# Altium PCB LimeSDR-PCIe_1v2.PcbDoc (part 6 of 9)
Units mm, origin at the board's own origin, x right, y up, seen from the top; angles counter-clockwise.
Board outline 136.85 x 68.9 mm, 12 copper layers (Top, L2, L3, L4, L5, L6, L7, L8, L9, L10, L11, Bottom), stack 1.638 mm thick; 821 components, 532 nets, 3803 pads, 1799 vias.
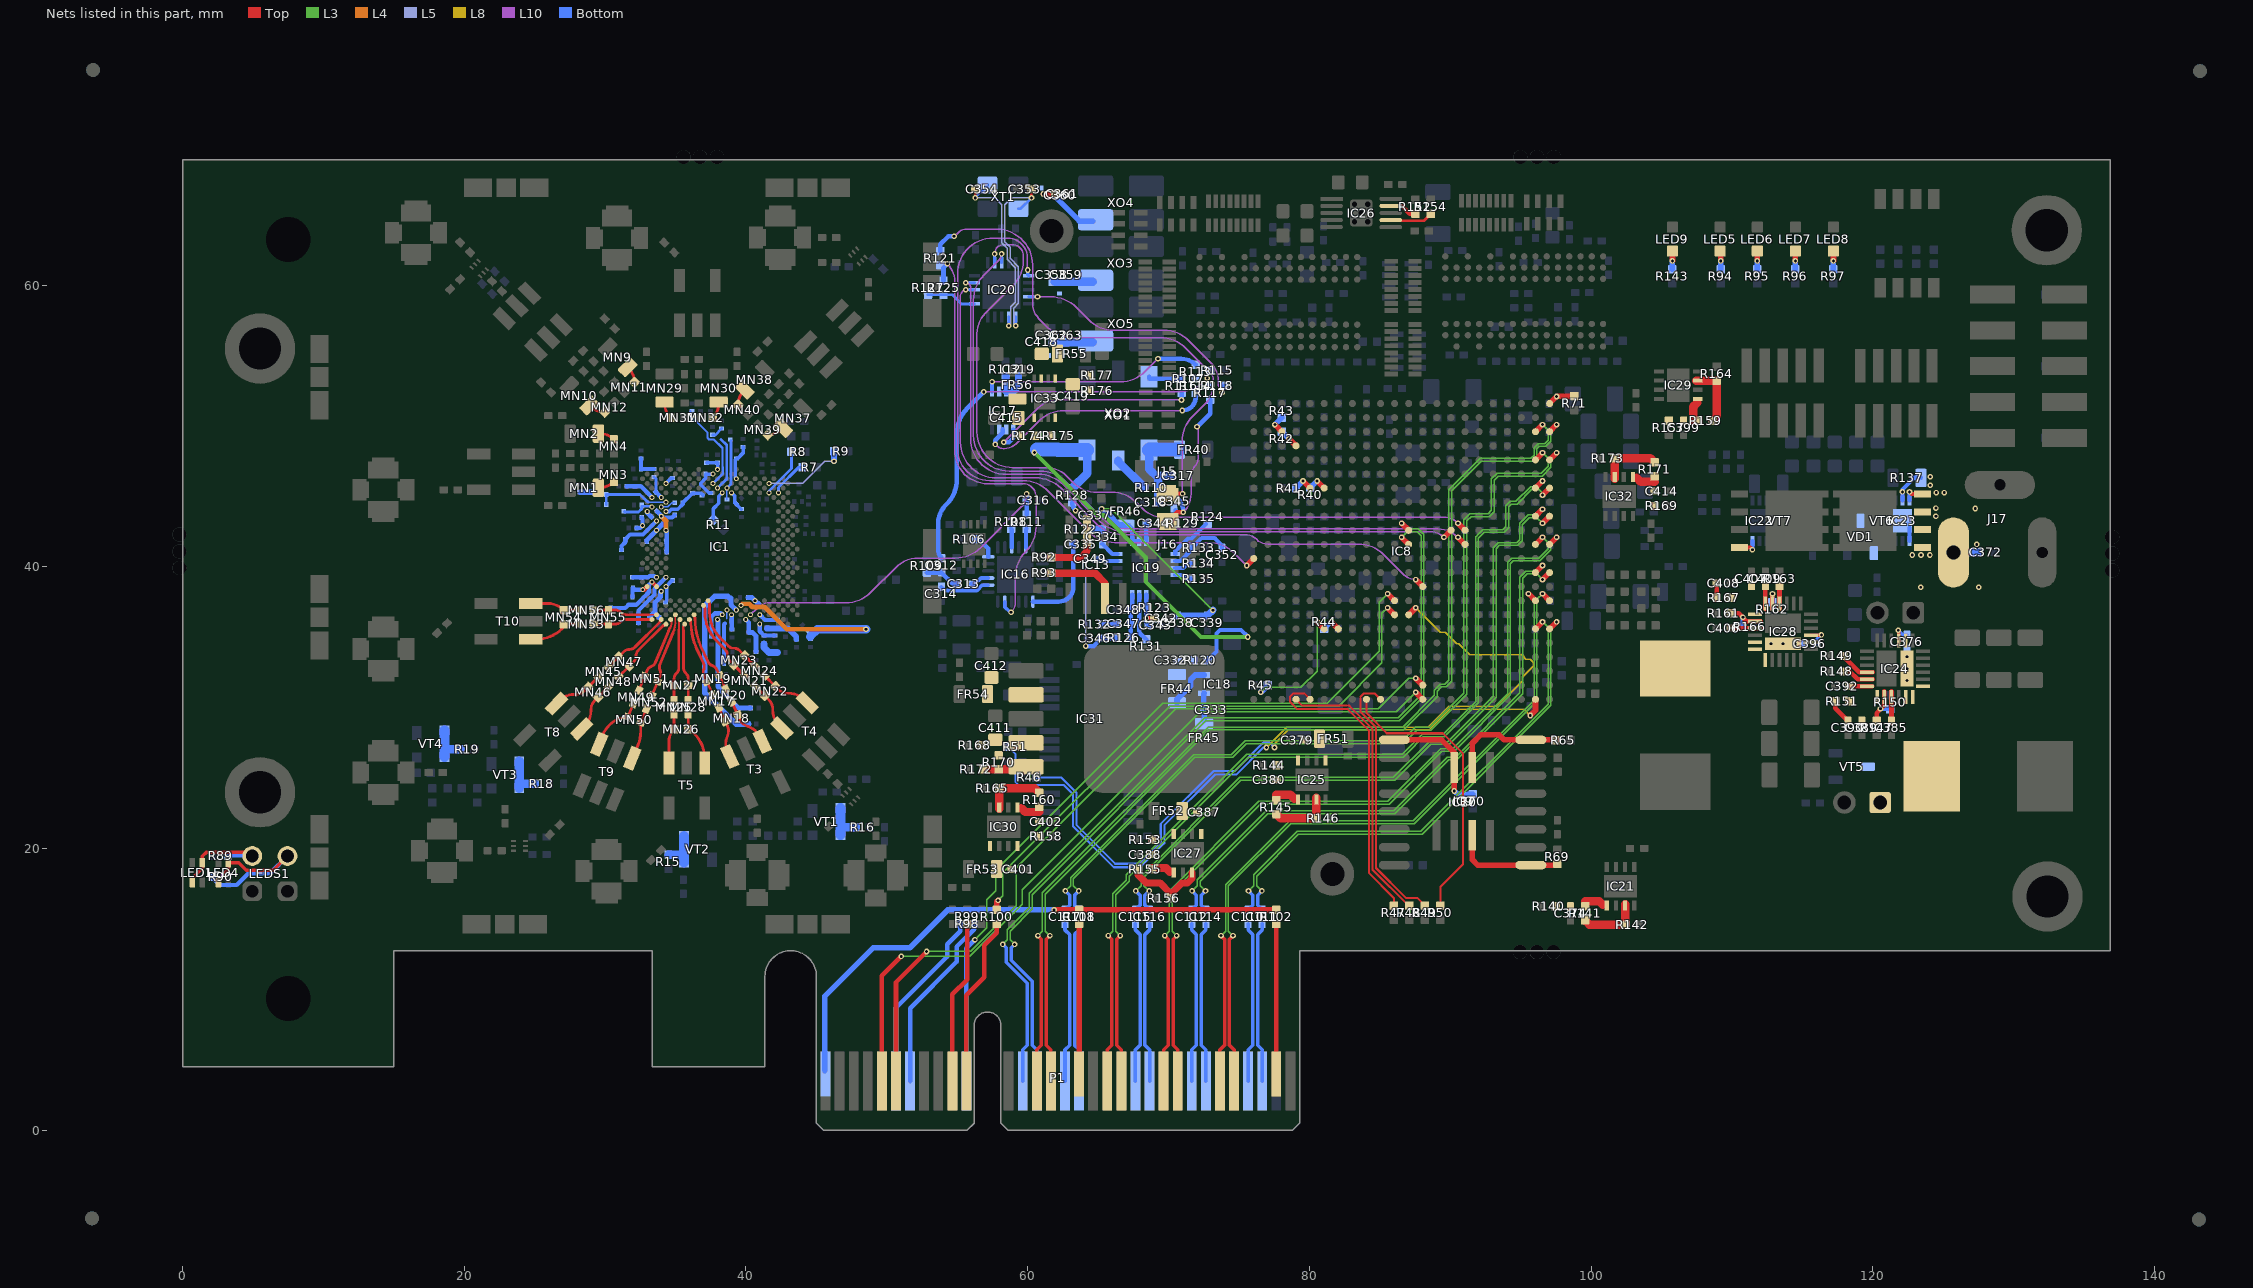
[diagram p16: the nets of this part, all layers, seen from the top]

## Via types
v1: diameter 0.4, hole 0.2, Top to Bottom, tented both sides, 1691 vias
v2: diameter 0.35, hole 0.2, Top to Bottom, tented top, 87 vias
v3: diameter 0.5, hole 0.2, Top to Bottom, tented both sides, 20 vias
v4: diameter 0.4, hole 0.2, Top to Bottom, tented top, 1 vias

## Nets (pads, with @x,y where several pads share a name; then routed paths per layer and width w, separated by ;. In a path a pad name is that pad's centre, name@x,y a point inside that pad or via, vN(x,y) a via of type N, cw(c..) or ccw(c..) an arc to the next point about the centre after c; other vN are vias at no path point) (continued)
NetC65_1: C65.1 FR6.1 IC1.D16 | length 7
  Bottom w0.15: C65.1@36.063,51.05 36.063,50.748 FR6.1@36.325,50.486 36.325,50.474 37.275,49.523 37.275,49.153 37.377,49.05 37.725,49.05 38.332,48.443 38.332,46.607
  Bottom w0.17: v2(37.65,45.925) 38.332,46.607 38.342,46.617 38.342,47.076 38.336,47.082
NetC66_1: C66.1 FR3.1 IC1.E17 | length 4.7
  Bottom w0.2: FR3.1@37.625,49.375 37.83,49.375 C66.1@38.275,49.82 ; v2(37.982,45.595) 38.632,46.245 38.632,48.643 38.225,49.05
NetC67_1: C67.1 FR5.2 IC1.AL21 | length 13.4
  Bottom w0.35: 38.924,37.781 38.924,37.327 v2(39.314,36.937)
  Bottom w0.4: 38.894,37.731 38.719,37.906 37.773,37.906 37.074,37.207 37.074,31.051 39.037,29.088 39.067,29.088 39.304,28.85 FR5.2@40.175,28.85
NetC68_1: C68.1 FR12.1 IC1.G3 | length 2.1
  Bottom w0.3: FR12.1@31.524,45.726 32.538,45.726 33.32,44.944 v2(33.32,44.929)
NetC69_1: C69.1 FR9.2 IC1.M4 | length 3.6
  Bottom w0.3: FR9.2@31.169,41.206 31.169,41.494 31.429,41.754 C69.1@31.429,41.956 31.779,42.306 32.696,42.306 v2(33.653,43.264)
NetC70_1: C70.1 FR10.2 IC1.H6 | length 5.2
  Bottom w0.11: 33.029,44.596 v2(34.319,44.596)
  Bottom w0.2: C70.1@30.079,44.431 30.079,45.146 FR10.2@30.075,45.15 32.475,45.15 33.029,44.596
NetC71_1: C71.1 FR8.1 IC1.B16 | length 2.4
  Bottom w0.25: C71.1@37.531,45.256 37.369,45.256 36.794,45.831 36.794,45.951 37.129,46.286 FR8.1@37.129,46.581 37.637,46.581 v2(37.649,46.594)
NetC72_1: C72.1 FR10.1 R31.1 | length 1.4
  Bottom w0.4: C72.1@28.231,45.296 28.238,45.303 29.046,45.303 29.362,45.303 FR10.1@29.515,45.15
NetC73_1: C73.1 FR11.1 IC1.A17 | length 1.3
  Bottom w0.25: FR11.1@37.199,47.401 C73.1@37.974,47.401 37.982,47.393 v2(37.982,46.927)
NetC74_1: C74.1 FR13.1 IC1.E19 | length 4.4
  Bottom w0.11: C74.1@38.648,44.781 v2(38.648,45.595)
  Bottom w0.15: v2@38.594,45.649 v2(38.648,45.595)
  Bottom w0.2: v2(38.648,45.595) 38.932,45.879 FR13.1@38.932,48.968
NetC75_1: C75.1 IC1.J3 R34.1 | length 2.2
  Bottom w0.19: R34.1@32.604,44.281 32.622,44.3 33.283,44.3 v2(33.32,44.263)
  Bottom w0.2: C75.1@31.375,43.925 31.394,43.906 32.381,43.906 32.604,44.129 R34.1@32.604,44.281
NetC76_1: C76.1 FR17.1 IC1.C21 | length 2.5
  Bottom w0.24: v2(39.314,46.261) 39.252,46.323 39.252,47.604 FR17.1@39.349,47.701
  Bottom w0.25: FR17.1@39.349,47.701 39.407,47.701 39.794,48.088 C76.1@39.794,48.519
NetC77_1: C77.1 IC1.F20 R33.2 | length 1.4
  Bottom w0.25: v2(38.981,45.262) 39.219,45.024 39.219,44.561 R33.2@39.674,44.106
NetC78_2: C78.2 FR14.2 IC1.K6 R32.2 | length 3.3
  Bottom w0.27: v2(34.319,43.93) 34.53,43.93 34.691,44.091 35.161,44.091 35.529,44.459 35.529,44.556 35.529,44.563 FR14.2@36.199,45.233 36.827,45.233 C78.2@36.949,45.111
NetC79_1: C79.1 FR16.2 FR18.2 IC1.L5 R35.2 | length 4.2
  L4 w0.35: v2(33.986,43.597) 34.319,43.264 v2(34.319,42.598)
  Bottom w0.3: R35.2@33.701,43.929 33.986,43.644 v2(33.986,43.597) 34.078,43.505 34.767,43.505 C79.1@34.944,43.681
  Bottom w0.35: v2(34.319,42.598) 34.375,42.542 FR16.2@34.375,41.05
NetC80_1: C80.1 FR15.1 IC1.AN23 | length 2.7
  Bottom w0.3: v2(39.98,36.271) 40.199,36.052 C80.1@40.199,35.336
  Bottom w0.35: C80.1@40.224,35.336 40.473,35.336 40.724,35.085 FR15.1@40.724,33.981
NetC81_1: C81.1 FR20.2 IC1.G5 | length 1.7
  Bottom w0.2: FR20.2@33.476,46.389 33.606,46.259 33.606,45.343 C81.1@33.572,45.343
  Bottom w0.3: C81.1@33.572,45.343 v2(33.986,44.929)
NetC82_1: C82.1 FR21.2 IC1.N1 | length 1.1
  Bottom w0.3: FR21.2@32.231,42.769 32.492,42.769 v2(32.654,42.931) 32.654,43.456 C82.1@32.604,43.506
NetC83_1: C83.1 FR19.1 IC1.AM18 | length 2.3
  Bottom w0.31: FR19.1@37.549,35.061 37.549,36.456 37.799,36.706 38.212,36.706 v2(38.315,36.604)
NetC84_1: C84.1 IC1.AL19 R36.2 | length 3.5
  Bottom w0.11: v2(38.648,36.937) 38.649,36.331
  Bottom w0.3: C84.1@38.444,33.156 38.444,35.926 38.504,35.986
NetC85_1: C85.1 FR20.1 R37.1 | length 1.6
  Bottom w0.3: R37.1@32.55,46.946 32.553,46.949 FR20.1@33.476,46.949 ; R37.1@32.554,47.016 C85.1@32.554,47.706
NetC86_1: C86.1 FR22.1 IC1.AM20 | length 1
  Bottom w0.3: FR22.1@38.994,35.556 v2@38.994,36.591
  other v2: 38.981,36.604
NetC87_1: C87.1 FR27.2 IC1.AD6 | length 3.8
  Bottom w0.3: 32.379,36.912 33.124,37.657 33.124,37.665 33.499,38.04 33.499,38.448 v2(34.319,39.268)
  Bottom w0.35: FR27.2@32.379,36.025 C87.1@32.379,36.706
NetC88_1: C88.1 FR23.2 IC1.AE3 IC1.AF4 | length 4.5
  Top w0.3: v2(33.32,38.935) IC1.AF4@33.653,38.602
  Bottom w0.3: FR23.2@30.27,37.086 31.149,37.086 31.429,37.086 31.649,37.306 32.208,37.306 32.724,37.823 ; 32.75,37.856 33.099,38.205 33.099,38.714 v2(33.32,38.935)
NetC89_1: C89.1 FR24.1 FR25.1 IC1.AN17 | length 7.9
  Bottom w0.34: v2(37.982,36.271) 38.024,36.229 FR24.1@38.024,31.506 ; FR24.1@38.032,31.593 38.032,31.423 39.48,29.975 FR25.1@40.345,29.975
NetC90_1: C90.1 FR26.1 IC1.AJ25 | length 1
  Bottom w0.35: C90.1@40.142,37.831 40.417,37.831 v2(40.646,37.603) 40.653,37.603 FR26.1@40.926,37.329
NetC91_1: C91.1 FR28.2 IC1.AG5 | length 2.7
  Bottom w0.35: FR28.2@33.134,36.421 33.549,36.836 ; C91.1@33.839,36.421 33.549,36.711 33.549,36.836 ; v2@33.974,38.281 33.924,38.231 33.924,37.856 33.874,37.806 33.866,37.806 33.549,37.489 33.549,37.481 33.549,36.836
  other v2: 33.986,38.269
NetC92_1: C92.1 FR30.2 IC1.P4 | length 1.7
  Bottom w0.35: FR30.2@32.956,41.794 32.956,41.901 v2(33.653,42.598) 34.104,43.049 C92.1@34.119,43.049
NetC93_1: C93.1 FR29.1 IC1.AP26 | length 1.7
  Bottom w0.3: v2(40.979,35.938) 40.979,35.431 FR29.1@41.274,35.136 C93.1@42.049,35.136
NetC94_1: C94.1 FR29.2 R38.2 | length 1.4
  Bottom w0.5: FR29.2@41.274,34.531 41.274,34.281 R38.2@41.624,33.931 C94.1@42.249,33.931
NetC95_1: C95.1 FR31.1 IC1.AM26 | length 1.4
  Bottom w0.3: v2(40.979,36.604) 41.346,36.236 FR31.1@41.499,36.236 C95.1@42.274,36.236
NetC96_1: C96.1 FR31.2 R39.2 | length 2.5
  Bottom w0.4: FR31.2@41.474,35.626 43.004,35.626 43.574,35.056 R39.2@43.574,34.861
NetC97_1: C97.1 FR32.1 IC1.AK22 | length 13.9
  L4 w0.35: v2(39.647,37.27) 39.764,37.387 40.226,37.387 40.46,37.153 41.322,37.153 42.9,35.575 v1(48.525,35.575)
  Bottom w0.6: 44.55,35.05 45.075,35.575 v1(48.525,35.575)
NetC98_1: C98.1 FR33.1 IC1.AF6 | length 1.9
  Bottom w0.25: FR33.1@34.274,37.481 34.386,37.593 34.386,38.535 v2(34.319,38.602) 34.749,39.031 C98.1@34.794,39.031 ; FR33.1@34.319,37.516 FR33.1@34.324,37.511
NetC99_1: C99.1 FR34.1 IC1.AD4 | length 1.8
  Bottom w0.3: FR34.1@31.974,39.276 31.983,39.268 33.052,39.268 33.144,39.36 33.496,39.36 33.588,39.268 v2(33.653,39.268)
NetC100_1: C100.1 FR35.1 IC1.AF2 | length 1.8
  Top w0.35: v2(32.674,38.381) 32.767,38.381 IC1.AF2@32.987,38.602
  Bottom w0.3: C100.1@31.954,37.856 31.954,38.506 32.02,38.506 32.145,38.381 v2(32.674,38.381)
NetC312_1: C312.1 C313.2 R109.2 | length 2.4
  Bottom w0.325: R109.2@52.85,39.6 53.875,39.6 54.675,38.8 C313.2@54.95,38.8
NetC312_2: C312.2 R107.1 R113.1 R114.1 R115.2 R117.1 R118.1 | length 29.1
  L10 w0.1: v1(56.875,52.425) 70.723,52.425 ccw(c70.723,54.965) 72.519,53.169 v1(72.75,53.4)
  Bottom w0.325: C312.2@53.9,40.625 cw(c54.504,41.229) 53.65,41.229 53.65,43.125 cw(c55.4,43.125) 54.163,44.363 54.231,44.431 ccw(c52.435,46.227) 54.975,46.227 54.975,49.473 cw(c57.515,49.473) 55.719,51.269 v1(56.875,52.425)
NetC313_1: C313.1 IC16.21 | length 1.4
  Bottom w0.25: C313.1@55.95,38.8 56.275,38.8 56.687,39.212 IC16.21@57.2,39.212
NetC314_2: C314.2 IC16.20 | length 3.6
  Bottom w0.25: C314.2@53.875,38.6 54.15,38.325 56.4,38.325 56.787,38.712 IC16.20@57.2,38.712
NetC317_2: C317.2 C318.2 FR40.1 R110.2 XO1.5 XO2.4 | length 6.8
  Bottom w0.6: XO2.4@68.625,48.3 68.625,46.95 69.275,46.3 R110.2@69.275,45.625 C318.2@69.275,44.575 ; 69.45,46.475 C317.2@70.175,46.475
  Bottom w1: XO2.4@68.625,48.3 68.65,48.325 FR40.1@70.725,48.325
NetC319_2: C319.2 IC17.6 IC17.7 IC17.8 R112.2 | length 2.9
  Bottom w0.5: R112.2@58.475,53.55 IC17.7@58.475,52.45 IC17.8@58.975,52.45 59.35,52.825 C319.2@59.35,53.55
NetC332_2: C332.2 FR44.2 R120.2
NetC333_1: C333.1 FR45.2 IC18.4 | length 1.9
  Bottom w0.4: FR45.2@72.525,29.101 72.525,29.871 72.511,29.885 72.511,31.011 IC18.4@72.525,31.025
NetC334_1: C334.1 IC19.5 | length 1.4
  Bottom w0.3: C334.1@65.3,41.625 66,40.925 IC19.5@66.375,40.925
NetC334_2: C334.2 C335.1 R122.2 | length 2.1
  Bottom w0.5: C335.1@64.25,41.625 64.25,42.625 R122.2@64.25,42.675 65.25,42.675 C334.2@65.3,42.625
NetC337_2: C337.2 C338.1 C339.1 FR46.2 IC19.6 IC19.7 | length 17.9
  L3 w0.1: v1(65.25,44.125) 65.95,44.125 v1(73.15,36.925)
  Bottom w0.3: FR46.2@66.95,42.95 67.175,42.95 67.425,42.7 IC19.6@67.425,41.825 IC19.7@67.925,41.825
  Bottom w0.4: C338.1@70.625,36.55 C339.1@72.625,36.55
  Bottom w0.5: v1@65.25,44.075 C337.2@65.25,43.675 65.725,43.675 66.45,42.95 FR46.2@66.95,42.95 ; C339.1@72.625,36.55 72.775,36.55 v1(73.15,36.925)
NetC342_2: C342.2 C343.1 IC19.18 R123.1 | length 2.8
  Top w0.3: v1(68.425,36.35) C342.2@69,36.35
  Bottom w0.3: IC19.18@68.425,38.025 68.425,36.025 C343.1@68.6,35.85
NetC344_1: C344.1 C345.2 R129.2 | length 2
  Bottom w0.3: C344.1@69.45,43.1 R129.2@70.5,43.1 C345.2@70.5,44.05
NetC344_2: C344.2 IC19.8 | length 1.2
  Bottom w0.3: IC19.8@68.425,41.825 C344.2@68.425,43.075
NetC346_2: C346.2 R126.2 R128.1 | length 13
  L5 w0.1: v1(63.4,44) 64.125,43.275 v1(64.125,34.375)
  Bottom w0.325: R128.1@63.165,44.582 63.165,44.569 ccw(c63.969,44.569) v1(63.4,44) ; v1(64.125,34.375) 64.675,34.375 C346.2@65.25,34.95 R126.2@66.3,34.95
NetC347_1: C347.1 R132.2 | length 1.1
  Bottom w0.3: R132.2@65.225,36 65.275,35.95 C347.1@66.325,35.95
NetC347_2: C347.2 C348.2 IC19.20 R126.1 | length 3.2
  Bottom w0.3: R126.1@67.325,34.9 C347.2@67.325,35.95 C348.2@67.325,36.95 67.425,37.05 IC19.20@67.425,38.025
NetC349_1: C349.1 IC19.4 | length 1.5
  Bottom w0.3: C349.1@64.925,40.575 65.075,40.425 IC19.4@66.375,40.425
NetC352_2: C352.2 IC19.12 R133.2 | length 4.5
  Bottom w0.3: IC19.12@70.475,40.425 70.85,40.425 71.65,41.225 R133.2@71.65,41.35 72.35,42.05 73.275,42.05 73.8,41.525 C352.2@73.8,41.35
NetC358_2: C358.2 C359.1 FR47.2 XO3.4 | length 2.7
  Bottom w0.6: C358.2@61.926,60.25 XO3.4@64.625,60.25
NetC360_2: C360.2 C361.1 FR48.2 XO4.4 | length 4.4
  Top w0.4: v1(61.1,66.475) 61.946,66.475 C361.1@61.948,66.476
  Bottom w0.4: C360.2@61.823,66.399 63.674,64.548 XO4.4@64.626,64.548
NetC362_2: C362.2 C363.1 FR49.2 XO5.4 | length 2.7
  Bottom w0.6: C362.2@61.928,55.948 XO5.4@64.626,55.948
NetC372_1: C372.1 IC23.2 J17.1 R137.2 VD1.1 VT6.1 VT6.2 VT6.3 | length 4.2
  Bottom w0.3: IC23.2@122.1,44.71 v1(122.1,45.325) 122.1,45.496 122.929,46.325 R137.2@123.425,46.325
  Bottom w0.6: J17.1@125.725,41.025 C372.1@127.45,41.025
  other v1: 123.4,38.55 127.525,38.55 122.8,40.85 123.425,40.85 124.05,40.85 127.375,41.6 124.475,43.6 127.275,44.15 124.475,44.175 124.5,45.275 125.075,45.275 124.075,45.8 124.075,46.4
NetC374_2: C374.2 IC21.1 R140.2 R141.2 | length 1.4
  Top w0.6: 99.575,16.275 100.562,16.275 100.837,16
NetC376_1: C376.1 IC24.15 | length 1.4
  Top w0.25: IC24.15@121.824,34.776 v1@121.824,35.451
  Bottom w0.25: v1(121.799,35.501) 122.124,35.176 C376.1@122.424,35.176
NetC376_2: C376.2 IC24.5 IC24.6 IC24.7 IC24.14 IC24.26 L1.1
  other v3: 122.424,31.926 122.424,32.776 122.424,33.626
NetC379_2: C379.2 FR51.2 IC25.5 IC25.8
NetC380_2: C380.2 IC25.1 R144.2 R145.2 | length 1.4
  Top w0.6: 77.663,23.825 78.65,23.825 78.925,23.55
NetC385_1: C385.1 IC24.3 | length 2.1
  Top w0.325: C385.1@121.324,29.076 IC24.3@121.324,31.176
NetC387_2: C387.2 FR52.2 IC27.5 IC27.8
NetC388_2: C388.2 IC27.1 R153.2 R155.1 | length 1.4
  Top w0.6: R155.1@68.838,18.625 69.825,18.625 70.1,18.35
NetC389_1: C389.1 IC24.1 R151.2
NetC390_1: C390.1 R151.1 | length 1.8
  Top w0.325: R151.1@117.324,30.476 117.324,29.976 C390.1@118.224,29.076
NetC392_1: C392.1 IC24.24 | length 1.7
  Top w0.325: C392.1@118.324,31.526 IC24.24@119.974,31.526
NetC396_1: C396.1 IC28.15 | length 1.5
  Top w0.25: IC28.15@115.625,35.15 116.325,35.15 v1(116.35,35.175)
  Bottom w0.25: C396.1@116.025,34.55 116.025,34.85 v1(116.35,35.175)
NetC396_2: C396.2 IC28.5 IC28.6 IC28.7 IC28.14 IC28.26 L2.1
  other v3: 112.775,34.55 113.625,34.55 114.475,34.55
NetC399_2: C399.2 IC29.1 R157.2 R159.2 | length 1.4
  Top w0.6: 107.25,50.388 107.25,51.375 107.525,51.65
NetC401_2: C401.2 FR53.2 IC30.5 IC30.8
NetC402_2: C402.2 IC30.1 R158.2 R160.2 | length 1.4
  Top w0.6: 59.55,22.875 59.825,22.6 60.812,22.6
NetC406_1: C406.1 IC28.3 | length 2.1
  Top w0.325: C406.1@109.925,35.65 IC28.3@112.025,35.65
NetC407_1: C407.1 IC28.1 R167.2
NetC408_1: C408.1 R167.1 | length 0.9
  Top w0.325: R167.1@108.925,37.893 C408.1@108.925,38.75
NetC409_1: C409.1 IC28.24 | length 1.7
  Top w0.325: IC28.24@112.375,37 C409.1@112.375,38.65
NetC411_2: C411.2 IC31.4 R168.2 R170.1
NetC412_2: C412.2 FR54.2 IC31.2
NetC414_2: C414.2 IC32.1 R169.2 R171.2 | length 1.4
  Top w0.6: 103.25,46.325 103.525,46.05 104.512,46.05
NetC415_2: C415.2 FR56.1 IC33.5 R174.1
NetC418_2: C418.2 FR55.2 IC33.3
NetC419_2: C419.2 IC33.1 R176.2 R177.1
NetFR44_1: FR44.1 IC18.6 | length 3.1
  Bottom w0.4: FR44.1@70.6,30.354 70.6,30.604 71.575,31.579 71.575,32 71.9,32.325 IC18.6@72.525,32.325
NetIC1_D6: IC1.D6 R30.2 | length 0.6
  Bottom w0.25: v2(34.319,45.928) 34.703,46.311 R30.2@34.799,46.311
NetIC1_D28: IC1.D28 R9.1 | length 6
  L5 w0.1: v2(41.645,45.928) 44.028,45.928 45.6,47.5 v1(46.25,47.5)
  Bottom w0.4: v1(46.25,47.5) R9.1@46.25,48.225
NetIC1_F18: IC1.F18 R11.1 | length 2.2
  Bottom w0.25: R11.1@37.745,43.36 37.694,43.411 37.694,44.144 38.077,44.527 38.077,45.023 v2(38.315,45.262)
NetIC1_F28: IC1.F28 R8.1 | length 3.6
  Bottom w0.2: v2(41.645,45.262) 41.645,45.397 43.225,46.977 R8.1@43.225,48.175
NetIC1_F30: IC1.F30 R7.1 | length 2.7
  Bottom w0.2: v2(42.311,45.262) 42.311,45.639 43.747,47.075 R7.1@44.025,47.075
NetIC1_J5: IC1.J5 R32.1 | length 1.1
  Bottom w0.11: v2(33.986,44.263) 34.453,44.263 34.746,44.556 R32.1@34.969,44.556
NetIC1_K2: IC1.K2 R35.1 | length 0.5
  Bottom w0.3: v2(32.987,43.93) 32.987,43.822 R35.1@33.251,43.558 ; R35.1@33.276,43.533 R35.1@33.251,43.558 ; R35.1@33.276,43.558 R35.1@33.251,43.558
NetIC8_A2: IC8.A2 R46.2 | length 46.2
  Top w0.4: v1(95.675,29.45) 96.05,29.825 IC8.A2@96.05,30.6
  L8 w0.1: v1(77.525,27.175) 77.525,27.45 78.5,28.425 88.528,28.425 90.003,29.9 95.225,29.9 v1(95.675,29.45)
  Bottom w0.15: R46.2@60.625,25.05 62.375,25.05 63.475,23.95 63.475,21.67 66.22,18.925 67.9,18.925 69.45,20.475 69.45,21.754 73.196,25.5 74.696,25.5 76.746,27.55 77.15,27.55 v1(77.525,27.175)
NetIC8_A13: IC8.A13 R49.2 | length 18.9
  Top w0.15: IC8.A13@85.05,30.6 84.625,31.025 83.874,31.025 83.625,30.776 83.625,29.707 84.725,28.607 84.725,18.625 86.85,16.5 87.65,16.5 R49.2@88.2,15.95
NetIC8_A14: IC8.A14 R50.2 | length 20.5
  Top w0.15: IC8.A14@84.05,30.6 84.05,29.636 85.491,28.195 89.467,28.195 90.9,26.762 90.9,18.875 89.3,17.275 R50.2@89.3,15.95
NetIC8_A18: IC8.A18 R47.2 | length 21.7
  Top w0.15: IC8.A18@80.05,30.6 79.625,31.025 78.874,31.025 78.625,30.776 78.625,30.424 79.149,29.9 82.725,29.9 84.225,28.4 84.225,18.275 86.002,16.498 R47.2@86.002,15.952
NetIC8_A19: IC8.A19 R48.2 | length 20
  Top w0.15: IC8.A19@79.05,30.6 79.5,30.15 82.829,30.15 84.475,28.504 84.475,18.521 87.046,15.95 R48.2@87.1,15.95
NetIC8_AB1: IC8.AB1 R71.1 | length 2
  Top w0.4: IC8.AB1@97.05,51.6 v1(97.55,52.1) 97.575,52.125 R71.1@98.8,52.125
NetIC8_F16: IC8.F16 R44.1 | length 1.4
  Top w0.4: v1(81.55,36.1) IC8.F16@82.05,35.6
  Bottom w0.3: R44.1@81.05,35.6 v1(81.55,36.1)
NetIC8_F17: IC8.F17 R45.2 | length 9.5
  Top w0.4: v1(80.55,36.1) IC8.F17@81.05,35.6
  L3 w0.1: v1(76.55,31.1) 76.9,31.45 79.395,31.45 80.55,32.605 v1(80.55,36.1)
  Bottom w0.4: v1(76.55,31.1) R45.2@77.05,31.6
NetIC8_G11: IC8.G11 R51.2 | length 61.1
  Top w0.4: IC8.G11@87.05,36.6 v1(87.55,37.1)
  L8 w0.1: v1(76.95,27.175) 78.4,28.625 88.445,28.625 89.92,30.1 93.328,30.1 95.125,31.897 95.125,32.17 95.9,32.945 95.9,33.245 95.695,33.45 95.375,33.45 95.075,33.75 91.4,33.75 90.6,34.55 90.454,34.55 89.654,35.35 89.3,35.35 v1(87.55,37.1)
  Bottom w0.15: R51.2@58.625,27.225 59.125,26.725 59.125,24.738 59.338,24.525 62.546,24.525 63.225,23.846 63.225,21.566 66.116,18.675 68.004,18.675 69.7,20.371 69.7,21.65 73.3,25.25 74.8,25.25 76.725,27.175 v1(76.95,27.175)
NetIC8_T17: IC8.T17 R40.1 | length 1.4
  Top w0.4: v1(80.55,46.1) IC8.T17@81.05,45.6
  Bottom w0.4: R40.1@80.075,45.625 v1(80.55,46.1)
NetIC8_T18: IC8.T18 R41.2 | length 1.4
  Top w0.4: v1(79.55,46.1) IC8.T18@80.05,45.6
  Bottom w0.4: R41.2@79.05,45.6 v1(79.55,46.1)
NetIC8_W19: IC8.W19 R42.1 | length 1.4
  Top w0.4: v1(78.55,49.1) IC8.W19@79.05,48.6
  Bottom w0.4: R42.1@78.05,49.6 v1(78.55,49.1)
NetIC8_Y20: IC8.Y20 R43.2 | length 1.4
  Top w0.4: v1(77.55,50.1) IC8.Y20@78.05,49.6
  Bottom w0.4: v1(77.55,50.1) R43.2@78.05,50.6
NetIC9_2: IC9.2 IC10.8 R65.1 | length 8.1
  Top w0.4: IC9.2@91.56,25.75 91.56,26.5 91.56,27.485 92.15,28.075 93.475,28.075 93.83,27.72 IC10.8@95.725,27.72 97.515,27.72 R65.1@97.535,27.7
NetIC9_3: IC9.3 IC10.9 R70.2 | length 8.8
  Top w0.4: IC10.9@86.025,27.72 89.38,27.72 90.29,26.81 v1(90.29,24.09)
  Bottom w0.4: v1(90.29,24.09) 90.53,23.85 R70.2@91.6,23.85
NetIC9_7: IC9.7 IC10.1 R69.2 | length 8
  Top w0.4: IC9.7@91.56,20.95 91.56,19.215 91.945,18.83 IC10.1@95.725,18.83 97.505,18.83 R69.2@97.6,18.925
NetIC13_3: IC13.3 R93.2 | length 5.2
  Top w0.5: R93.2@61.675,39.575 61.675,39.55 64.8,39.55 65.485,38.865 IC13.3@65.485,37.75
NetIC13_7: IC13.7 R92.2 | length 4.2
  Top w0.5: R92.2@61.675,40.675 63.775,40.675 64.215,41.115 IC13.7@64.215,42.55
NetIC16_3: IC16.3 R108.2 | length 1.3
  Bottom w0.3: R108.2@58.825,42.712 58.875,42.662 IC16.3@58.875,41.387
NetIC16_5: IC16.5 R111.2 | length 1.3
  Bottom w0.3: IC16.5@59.875,41.387 59.875,42.662 R111.2@59.925,42.712
NetIC16_24: IC16.24 R106.1 | length 1.7
  Bottom w0.3: R106.1@56.35,41.95 56.55,41.95 57.2,41.3 IC16.24@57.2,40.712
NetIC17_1: IC17.1 R116.1 | length 15.7
  L10 w0.1: v1(58.3,48.85) 60.706,51.256 cw(c62.14,49.822) 62.14,51.85 v1(70.925,51.85)
  Bottom w0.325: v1(58.3,48.85) 58.675,48.85 58.975,49.15 IC17.1@58.975,49.75 ; v1(70.925,51.85) R116.1@70.925,52.35
NetIC17_2: IC17.2 IC17.3 R114.2 | length 17.4
  L10 w0.1: v1(57.7,48.7) 57.823,48.577 ccw(c58.25,49.004) 58.25,48.4 58.327,48.4 ccw(c58.327,49.603) 59.177,48.752 60.781,50.356 cw(c62.577,48.56) 62.577,51.1 v1(70.975,51.1)
  Bottom w0.325: v1(57.7,48.7) 57.7,49 58.225,49.525 58.225,49.775 ; v1(70.975,51.1) ccw(c70.975,52.05) 71.925,52.05 R114.2@71.925,52.35
NetIC17_5: IC17.5 R113.2 | length 15.8
  L10 w0.1: v1(57.475,53.14) 66.563,53.14 ccw(c66.563,55.68) 68.359,53.884 v1(69.25,54.775)
  Bottom w0.3: IC17.5@57.475,52.45 v1(57.475,53.14) ; v1(69.25,54.775) 70.899,54.775 cw(c70.899,53.324) R113.2@71.925,54.35
NetIC19_11: IC19.11 R124.1 | length 3.2
  Bottom w0.3: IC19.11@70.475,40.925 70.475,41.125 71.375,42.025 71.625,42.025 R124.1@72.65,43.05
NetIC19_13: IC19.13 R134.2 | length 1.3
  Bottom w0.3: IC19.13@70.475,39.925 71.05,39.925 71.375,40.25 R134.2@71.65,40.25
NetIC19_14: IC19.14 R135.2 | length 1.3
  Bottom w0.3: IC19.14@70.475,39.425 71.025,39.425 71.3,39.15 R135.2@71.65,39.15
NetIC19_19: IC19.19 R131.1 | length 3.4
  Bottom w0.3: IC19.19@67.925,38.025 67.925,35.325 R131.1@68.45,34.8
NetIC20_6: IC20.6 R125.2 R127.1 | length 3.6
  Bottom w0.2: R127.1@52.925,59.325 R125.2@54.025,59.325 54.65,59.325 55.3,58.675 IC20.6@56.225,58.675
NetIC21_3: IC21.3 R141.1 R142.1 | length 4.4
  Top w0.6: R141.1@99.575,14.9 99.875,14.6 R142.1@102.412,14.6 IC21.3@102.412,16.05
NetIC22_3: IC22.3 VT7.4 | length 1.6
  Top w0.3: VT7.4@110.53,41.37 111.305,41.37 v1(111.45,41.225)
  Bottom w0.3: v1(111.45,41.225) IC22.3@111.45,41.84
NetIC23_3: IC23.3 VT6.4 | length 1.6
  Top w0.3: v1(122.6,45.325) 122.745,45.18 VT6.4@123.52,45.18
  Bottom w0.3: IC23.3@122.6,44.71 v1(122.6,45.325)
NetIC23_4: IC23.4 IC23.7 VD1.3 | length 0.9
  Bottom w0.3: IC23.4@122.6,41.84 IC23.7@122.6,42.775
NetIC24_2: IC24.2 R147.2 R150.2 | length 3
  Top w0.325: R147.2@120.274,29.076 120.274,29.626 120.824,30.176 IC24.2@120.824,30.776 IC24.2@120.824,31.176
  Bottom w0.325: v1(120.549,29.926) 121.199,29.926 R150.2@121.224,29.901
NetIC24_22: IC24.22 R149.1 | length 2.6
  Top w0.325: R149.1@117.949,33.676 117.949,33.626 119.049,32.526 IC24.22@120,32.526
NetIC24_23: IC24.23 R148.2 | length 2.3
  Top w0.325: R148.2@117.95,32.575 118.375,32.575 118.924,32.026 IC24.23@120,32.026
NetIC25_3: IC25.3 R145.1 R146.1 | length 4.4
  Top w0.6: R145.1@77.663,22.45 77.963,22.15 R146.1@80.5,22.15 IC25.3@80.5,23.6